# Altium PCB s_pboard.PcbDoc
Units mil, origin at the board's own origin, x right, y up, seen from the top; angles counter-clockwise.
Board outline 2060 x 3015 mil, 2 copper layers (Top Layer, Bottom Layer); 36 components, 15 nets, 110 pads, 2 vias.
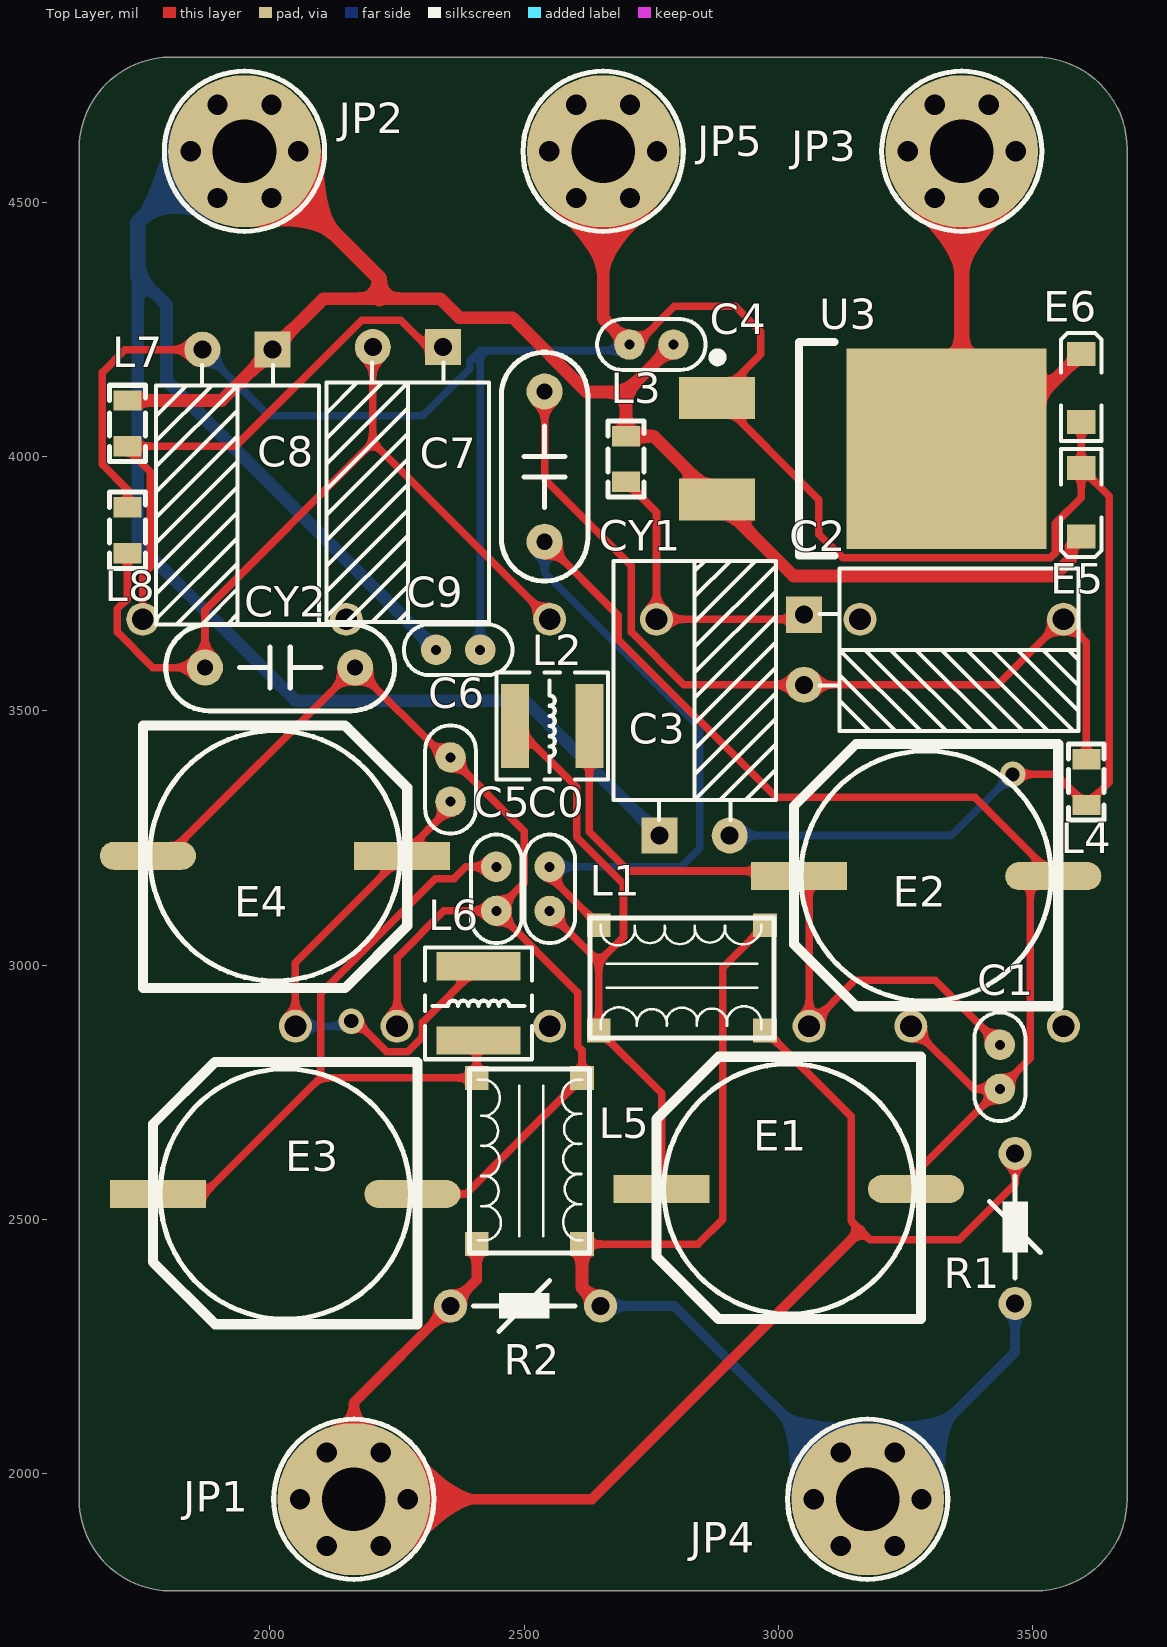
[diagram p0: Top Layer view]
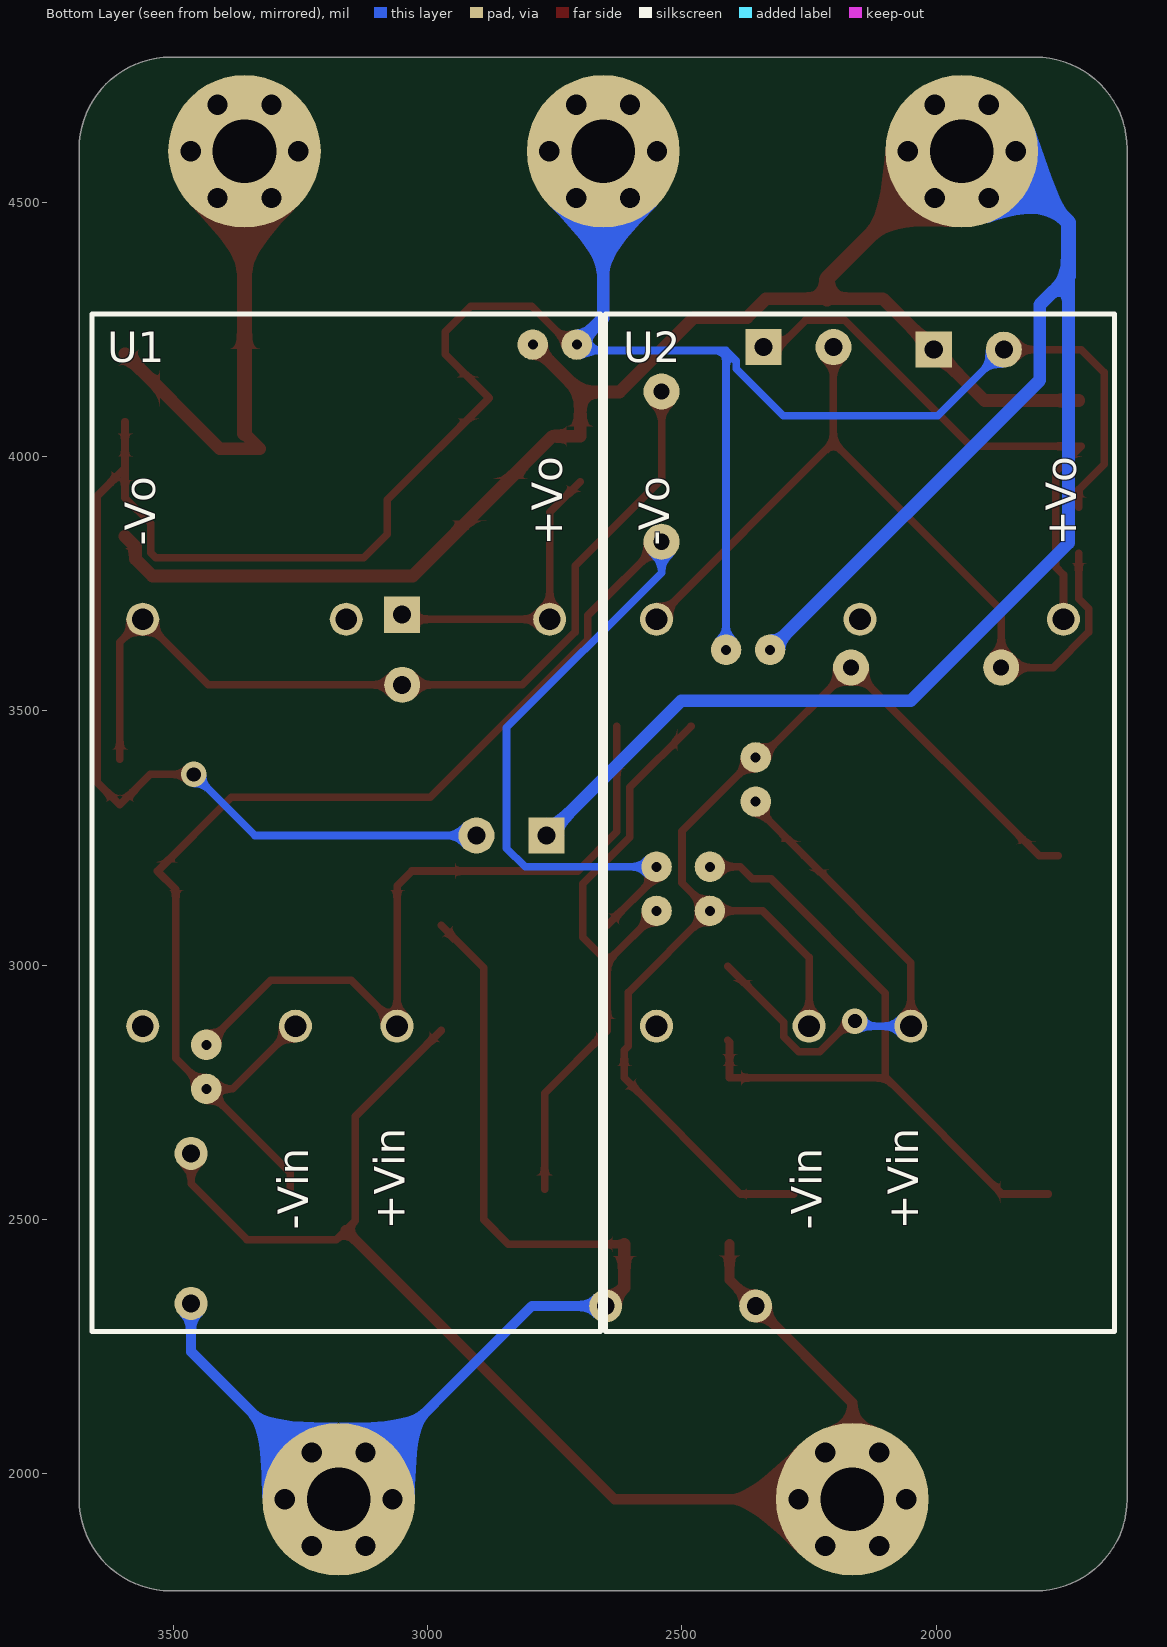
[diagram p1: Bottom Layer view, seen from below]
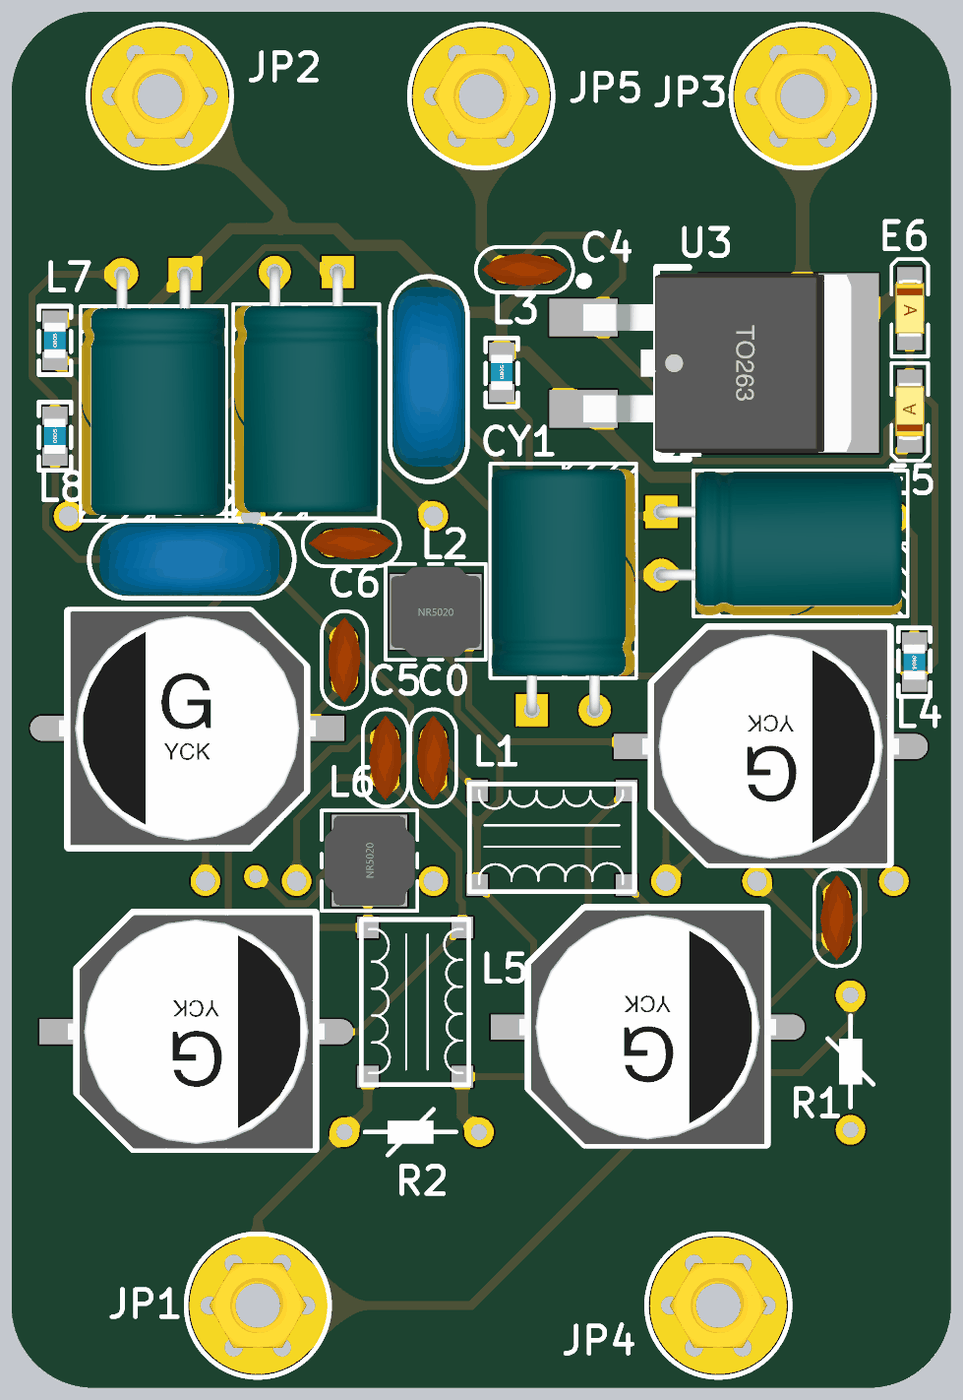
[diagram p2: 3D render of the assembled board from above, using the file's embedded part models]

## Layer stack, top to bottom
Top Solder: solder mask 0.4, Solder Resist, Dk 3.5
Top Layer: signal copper 1.4
Dielectric 1: dielectric 12.6, FR-4, Dk 4.8
Bottom Layer: signal copper 1.4
Bottom Solder: solder mask 0.4, Solder Resist, Dk 3.5

## Board outline
1625,1950 1625,4605 cw(c1805,4605) 1805,4785 3505,4785 cw(c3505,4605) 3685,4605 3685,1950 cw(c3505,1950) 3505,1770 1805,1770 cw(c1805,1950)

## Design rules (kind name [scope] priority, off if disabled: settings)
Clearance [All] p1: gap=10 ignorepadtopadclearanceinfootprint=FALSE except(0: Arc-Hole Track-Hole SMDPad-Hole THPad-Hole Via-Hole Fill-Hole Poly-Hole Region-Hole Text-Hole)
PolygonConnect [All] p1: connectstyle=Relief reliefconductorwidth=10 reliefentries=4 polygonreliefangle="90 Angle" airgapwidth=10
RoutingVias [All] p1: holewidth=28 width=50 viastyle="Through Hole" minholewidth=28 minwidth=50 maxholewidth=200 maxwidth=200
SolderMaskExpansion [All] p1: expansion=4
Width Width_3.3 [InNet('+3.3')] p1: maxlimit=30 minlimit=20 preferedwidth=25 minimp=50.000000 maximp=50.000000 favimp=50.000000
Width Width_5 [InNet('+5')] p2: maxlimit=40 minlimit=20 preferedwidth=25 minimp=50.000000 maximp=50.000000 favimp=50.000000
Width Width_12 [InNet('+12')] p3: maxlimit=30 minlimit=15 preferedwidth=15 minimp=50.000000 maximp=50.000000 favimp=50.000000
Width [All] p4: maxlimit=100 minlimit=10 preferedwidth=15 minimp=50.000000 maximp=50.000000 favimp=50.000000
30 further rules are at their usual default settings.

## Components (designator, comment, footprint, x,y, rotation, side; value= is the part's Value field where it differs from the comment)
C0 "1uF/50V" "CC 2.2*5" 2550,3150 r90 top
C1 "1uF/50V" "CC 2.2*5" 3435,2800 r270 top
C2 "100uF/高频低阻" "CAP 3.5*8*11.5-H - GD" 3050,3620 r270 top
C3 "100uF/高频低阻" "CAP 3.5*8*11.5-H - GD" 2835,3255 r0 top
C4 "1uF/50V" "CC 2.2*5" 2750,4220 r180 top
C5 "1uF/50V" "CC 2.2*5" 2445,3150 r270 top
C6 "1uF/50V" "CC 2.2*5" 2355,3365 r90 top
C7 "100uF/高频低阻" "CAP 3.5*8*11.5-H - GD" 2271.1,4215 r180 top
C8 "100uF/高频低阻" "CAP 3.5*8*11.5-H - GD" 1936.1,4210 r180 top
C9 "1uF/50V" "CC 2.2*5" 2370,3620 r0 top
CY1 "1nF/250V" "CY 7.5*10*4" 2540,3980 r90 top
CY2 "1nF/250V" "CY 7.5*10*4" 2020,3585 r180 top
E1 "470uF/50V" "CM G(12.5*13.5)" 3020,2560 r180 top
E2 "470uF/50V" "CM G(12.5*13.5)" 3290,3175 r180 top
E3 "470uF/50V" "CM G(12.5*13.5)" 2030,2550 r180 top
E4 "470uF/50V" "CM G(12.5*13.5)" 2010,3215 r0 top
E5 "10uF/6.3V" "CD A(3216)" 3595,3910 r90 top
E6 "10uF/6.3V" "CD A(3216)" 3595,4135 r270 top
JP1 "M3螺丝孔" M3x15_N 2165,1950 r0 top
JP2 "M3螺丝孔" M3x15_N 1950,4600 r0 top
JP3 "M3螺丝孔" M3x15_N 3360,4600 r0 top
JP4 "M3螺丝孔" M3x15_N 3175,1950 r0 top
JP5 "M3螺丝孔" M3x15_N 2655,4600 r0 top
L1 "SRF0905-202Y" SRF0905 2810,2975 r180 top
L2 "4.7uH" NR5020 2555,3470 r0 top
L3 "2.2uH" "L 0805" 2700,3995 r90 top
L4 "10uH" "L 0805" 3605,3360 r270 top
L5 "SRF0905-202Y" SRF0905 2510,2615 r90 top
L6 "4.7uH" NR5020 2410,2925 r90 top
L7 "2.2uH" "L 0805" 1720,4065 r90 top
L8 "10uH" "L 0805" 1720,3855 r90 top
R1 "14D330k" 14D330k 3465,2480 r90 top
R2 "14D330k" 14D330k 2505,2330 r180 top
U1 "10D1205B" 10D1205B 2660,2280 r90 bottom
U2 "10D1205B" 10D1205B 1650,2280 r90 bottom
U3 "AIC1084-33CM" TO263-3B 3330,4015 r270 top

## Footprints (in the part's own frame and the unit in brackets; to place one, negate y for a bottom-side part, rotate by r counter-clockwise, add the part's x,y. Pads: shape width x height; smd on the part's side, far side on the other; paste and mask are expansions set on the pad)
10D1205B [mil]
  round 65 hole 43: 1(600,600) 2(600,400) 3(1400,100) 4(1400,500) 5(1400,900) 6(600,900)
  silkscreen extent 0,0 2000,1000
14D330k [mil]
  round 65 hole 35: 1(-145,0) 2(150,0)
  silkscreen extent -95,-50 105,50
"CAP 3.5*8*11.5-H - GD" [mm] "脚距3.5mm直径8mm高度11.5mm"
  rect 1.8x1.8 hole 0.9: 1(-1.75,0)
  round 1.8 hole 0.9: 2(1.75,0)
  silkscreen extent -4.06,0.76 4.06,13.72, body extent -4,-0.3 4.01,13.41, height 8.03
"CC 2.2*5" [mil] "脚距2.2mm直径5mm"
  round 60 hole 19.68: 1(-43.31,0) 2(43.31,0)
  silkscreen extent -107,-50 107,50, body extent -94,-36 94,36, height 189
"CD A(3216)" [mm] "长3.2mm，宽1.6mm，厚1.6mm"
  rect 1.2x1.4 smd: 1(-1.7,0) 2(1.7,0)
  silkscreen extent -2.74,-1.02 2.67,1.02, body extent -1.6,-0.8 1.6,0.8, height 1.6
"CM G(12.5*13.5)" [mm] "贴片电解电容，直径12.5mm，高13.5mm"
  rect 4.8x1.4 smd: 1(6.35,0)
  oval 4.8x1.4 smd: 2(-6.35,0)
  silkscreen extent -6.6,-6.6 6.6,6.5, body extent -7.15,-6.5 7.15,6.5, height 13.5
"CY 7.5*10*4" [mm] "脚距7.5mm，直径10mm，厚4mm"
  round 1.8 hole 0.8: 1(-3.75,0) 2(3.75,0)
  silkscreen extent -5.71,-2.16 5.71,2.16, body extent -4.88,-2 5.12,2, height 10.2
"L 0805" [mil] "小功率贴片电感"
  rect 40x55 smd: 1(-45,0) 2(45,0)
  silkscreen extent -75,-35 75,35, body extent -39,-24 39,24, height 35
M3x15_N [mil] "M3铜柱，长：15mm"
  round 40 hole 40: 1(-106,0) 1(-53,-91.8) 1(-53,91.8) 1(53,-91.8) 1(53,91.8) 1(106,0)
  round 300 hole 125: 1(0,0)
  silkscreen extent -157,-157 157,157, body extent -106,-93 106,93, height 593
NR5020 [mm] "5.0mm*5.0mm*2.0mm(长*宽*高）"
  rect 1.4x4.2 smd: 1(-1.85,0) 2(1.85,0)
  silkscreen extent -2.79,-2.67 2.79,2.67, body extent -2.5,-2.5 2.5,2.5, height 2.1
SRF0905 [mil]
  rect 47x47 smd: 1(-163.5,-103.5) 2(-163.5,103.5) 3(163.5,103.5) 4(163.5,-103.5)
  silkscreen extent -181,-118 181,118
TO263-3B [mm] "263，3脚晶体管"
  rect 2.1x3.8 smd: 1(-2.54,-11.45) 3(2.54,-11.45)
  rect 10x10 smd: 2(0,0)
  silkscreen extent -5.33,-11.63 5.33,-5.59, body extent -5,-11.46 5,3.47, height 4.5

## Part data
C0 C1 C4 C5 C6 C9: library part C-CC, "直插瓷片电容"
C2 C3 C7 C8: library part C-CAP, "直插电解电容"
CY1 CY2: library part C-CY, "高压陶瓷电容，Y电容"
E1 E2 E3 E4: library part C-CM, "贴片电解电容"
E5 E6: library part C-CD, "贴片钽电容"
L1 L5: "共模电感"
L2 L6: library part DML-5020, "差模电感"
L3 L4 L7 L8: library part L, "小功率贴片电感"

## Via types
v1: diameter 50, hole 28, Top Layer to Bottom Layer, 2 vias

## Nets (pads, with @x,y where several pads share a name; then routed paths per layer and width w, separated by ;. In a path a pad name is that pad's centre, name@x,y a point inside that pad or via, vN(x,y) a via of type N, cw(c..) or ccw(c..) an arc to the next point about the centre after c; other vN are vias at no path point)
+3.3: E6.1 JP3.1 U3.2 | length 939.9
  Top Layer w25: U3.2@3360,4045 U3.2 3408.07,4015 E6.1
  Top Layer w30: U3.2@3360,4045 JP3.1@3360,4600
+5: C3.1 C4.1 C8.1 C9.1 E5.1 JP2.1 L3.2 L7.2 U3.3 | length 5961.5
  Top Layer w25: L7.2 1905,4110 C8.1 2105,4310 2215,4310 2335,4310 2372.07,4272.93 2476.63,4272.93 2622.87,4126.69 2700,4126.69 ; JP2.1@1950,4600 JP2.1@1965,4600 ; C4.1 2700,4126.69 ; E5.1 3574.35,3822.42 3574.35,3798.47 3540.88,3765 3029.21,3765 U3.3 2754.21,4040 L3.2 2700,4126.69
  Top Layer w30: JP2.1@1965,4600 2215,4350 2215,4310
  Bottom Layer w25: JP2.1@1880,4600 JP2.1@1950,4600 ; C9.1 1796.69,4150 1796.69,4298.31 1740,4355 1740,3830 2050,3520 2501.1,3520 C3.1
  Bottom Layer w30: 1740,4355 1740,4460 JP2.1@1880,4600
+12: JP1.1 L1.2 L5.2 R1.2 R2.2 | length 2704.4
  Top Layer w15: JP1.1@2165,1950 JP1.1@2271,1950 ; L1.2 3142.5,2702.5 3142.5,2497.5 3161.25,2478.75 3180,2460 3355,2460 3465,2570 R1.2
  Top Layer w20: JP1.1@2165,1950 2165,2140 R2.2 2406.5,2381.5 L5.2 ; JP1.1@2271,1950 2632.5,1950 3161.25,2478.75
GND: C3.2 C4.2 C8.2 C9.2 E5.2 E6.2 JP5.1 L4.2 L8.2 U3.1 | length 5925.2
  Top Layer w15: L8.2 1720,3935 1670,3985 1670,4165 1715,4210 C8.2 ; C4.2 2720,4220 2795,4295 2915,4295 2965,4245 2965,4200.79 U3.1 3079.21,3915 3079.21,3847.34 3125.9,3800.65 3534.1,3800.65 3544.35,3810.9 3544.35,3868.35 3595,3919 E5.2 ; v1(3460,3375) 3545,3375 L4.2 3650,3360 3650,3921.93 E5.2 ; E6.2 E5.2
  Top Layer w25: JP5.1@2655,4600 2655,4271.69 C4.2
  Bottom Layer w15: C8.2 1997.2,4080 2300.61,4080 2392.93,4172.32 2392.93,4187.93 2413.31,4208.31 ; C9.2 2413.31,4208.31 ; C4.2 2695,4208.31 2413.31,4208.31 ; C3.2 3340,3255 v1(3460,3375)
  Bottom Layer w25: JP5.1@2655,4600 2655,4271.69 C4.2
NetC0_1: C0.1 E1.1 L1.3 L2.1 | length 1209.3
  Top Layer w15: L2.1 2602.83,3349.33 2602.83,3251.81 2695,3159.64 2695,3055.25 2646.5,3006.75 ; C0.1 2550,3103.25 2646.5,3006.75 ; E1.1 2770,2748 L1.3 2646.5,3006.75
NetC0_2: C0.2 C1.2 CY1.1 E1.2 E2.2 L1.4 U1.1 | length 3442.8
  Top Layer w15: CY1.1@2540,3829.29 CY1.1 2685,3687.36 2685,3640 2995,3330 3386,3330 3531,3185 3495,3149 3495,2816.69 C1.2 ; C0.2 2550,3175 L1.4 ; U1.1 3383.31,2756.69 C1.2 ; E1.2 3270,2591.69 C1.2
  Bottom Layer w15: CY1.1 2540,3771.65 2845,3466.65 2845,3230 2808.31,3193.31 C0.2
NetC1_1: C1.1 E2.1 L2.2 U1.2 | length 1424.7
  Top Layer w15: L2.2 2627.83,3262.17 2705,3185 3031,3185 3060,3156 U1.2 3150,2970 3308.31,2970 C1.1
NetC2_1: C2.1 L3.1 U1.3 | length 588.5
  Top Layer w15: L3.1 2760,3890 U1.3 3041.1,3680 C2.1
NetC2_2: C2.2 CY1.2 L4.1 U1.5 | length 1783.1
  Top Layer w15: CY1.2 2540,3955 2710,3785 2710,3655 2813.9,3551.1 C2.2 3431.1,3551.1 U1.5 3605,3635 L4.1
NetC5_1: C5.1 E3.1 L5.3 L6.1 | length 1411.2
  Top Layer w15: E3.1 1870,2550 2098.5,2778.5 ; L6.1 2406.5,2848.67 L5.3 2098.5,2778.5 ; C5.1 2385.1,3193.31 2361.74,3169.94 2324.94,3169.94 2100,2945 2100,2780 2098.5,2778.5
NetC5_2: C5.2 C6.2 CY2.1 E3.2 E4.2 L5.4 U2.1 | length 2400
  Top Layer w15: E4.2 1797.64,3215 CY2.1 2344.33,3408.31 C6.2 2500,3263.31 2500,3161.69 C5.2 ; U2.1 2250,3015 2341.69,3106.69 C5.2 ; E3.2 2385,2550 L5.4 2613.5,2832.75 2605.5,2840.75 2605.5,2946.19 C5.2
NetC6_1: C6.1 E4.1 L6.2 U2.2 | length 1043.3
  Top Layer w15: U2.2 2050,3005 E4.1 2355,3310 C6.1 ; v1(2160,2890) 2169.29,2890 2229.29,2830 2270.71,2830 2300,2859.29 2300,2887.83 L6.2
  Bottom Layer w15: U2.2 2150,2880 v1(2160,2890)
NetC7_1: C7.1 L7.1 U2.3 | length 1111.5
  Top Layer w15: L7.1@1715,4020 1765,3970 1765,3782.75 1750,3767.75 U2.3 ; L7.1 1932.35,4020 2180.28,4267.93 2257.07,4267.93 2310,4215 C7.1
NetC7_2: C7.2 CY2.2 L8.1 U2.5 | length 1623.1
  Top Layer w15: L8.1 1720,3720.71 1700,3700.71 1700,3655 1770,3585 CY2.2 1872.36,3697.95 2202.2,4027.8 ; C7.2 2202.2,4027.8 ; U2.5 2202.2,4027.8
PGND: JP4.1 L1.1 L5.1 R1.1 R2.1 | length 2233.8
  Top Layer w15: L5.1 2841.5,2451.5 2890,2500 2890,2995 L1.1
  Top Layer w25: L5.1 2613.5,2366.5 R2.1
  Bottom Layer w20: R2.1 2795,2330 3175,1950 3465,2240 R1.1
pads on no net: U1.4 U1.6 U2.4 U2.6

## Silkscreen, mask and mechanical layers (free items; w line width, h text height)
Mechanical 1:
  the board outline again, w10

## Text inside footprints (layer, text, board x,y; h text height)
U1: Bottom Overlay "-Vo" at 3535,3825 h60 r270; Bottom Overlay "+Vo" at 2735,3825 h60 r270; Bottom Overlay "+Vin" at 3045,2480 h60 r270; Bottom Overlay "-Vin" at 3235,2480 h60 r270
U2: Bottom Overlay "-Vo" at 2525,3825 h60 r270; Bottom Overlay "+Vo" at 1725,3825 h60 r270; Bottom Overlay "+Vin" at 2035,2480 h60 r270; Bottom Overlay "-Vin" at 2225,2480 h60 r270